# Altium PCB TEZ_Project.PcbDoc (part 2 of 2)
Units mil, origin at the board's own origin, x right, y up, seen from the top; angles counter-clockwise.
Board outline 3896.95 x 2575.43 mil, 4 copper layers (Top Layer, GND, GND (Mid2), Bottom Layer), stack 61.418 mil thick; 158 components, 113 nets, 689 pads, 243 vias.
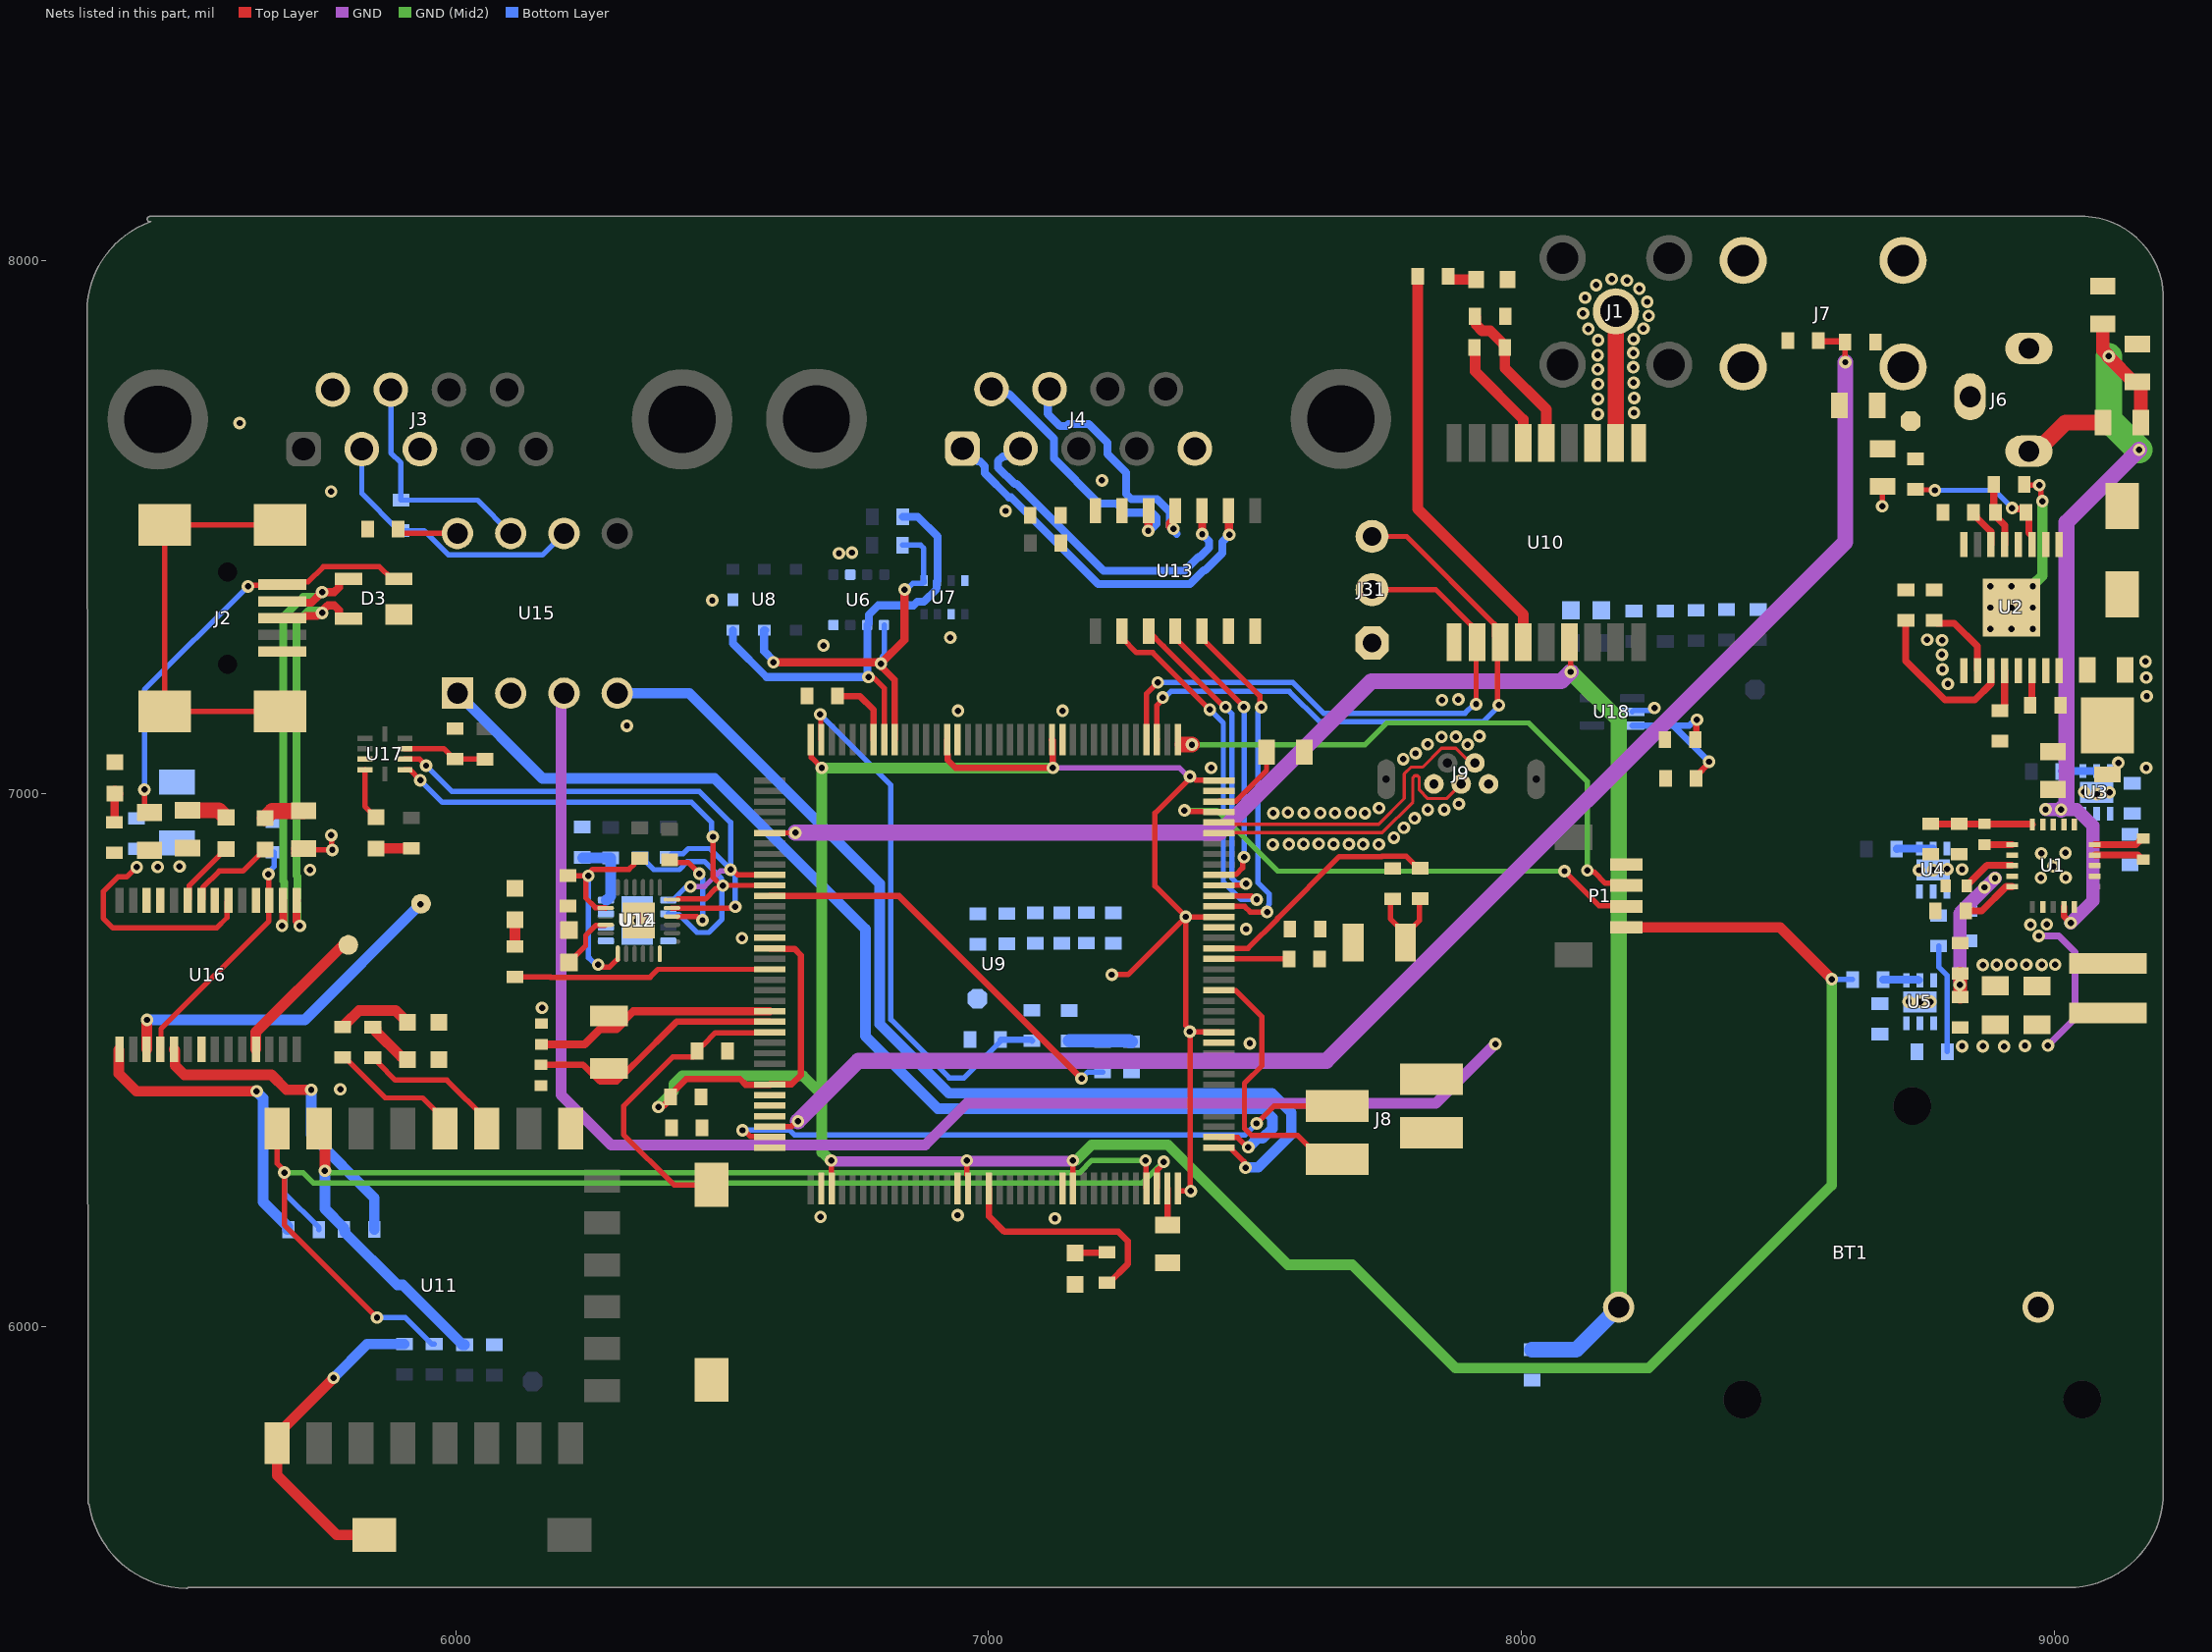
[diagram p4: the nets of this part, all layers, seen from the top]

## Via types
v1: diameter 23.62, hole 11.81, Top Layer to Bottom Layer, tented both sides, 243 vias

## Nets (pads, with @x,y where several pads share a name; then routed paths per layer and width w, separated by ;. In a path a pad name is that pad's centre, name@x,y a point inside that pad or via, vN(x,y) a via of type N, cw(c..) or ccw(c..) an arc to the next point about the centre after c; other vN are vias at no path point) (continued)
3V3_C: C13.2 C31.1 C32.1 C33.1 C34.1 C35.1 FB8.2 FB9.2 P1.1 R13.2 R21.2 TP5.1 U9.17 U9.30 U9.39 U9.52 U9.62 U9.72 U9.84 U9.95 U9.108 U9.121 U9.131 U9.144 | length 7183.6
  Top Layer w10: U9.144@6666.51,7101.32 6667.42,7100.41 6667.42,7067.98 v1(6687.15,7048.25) ; v1(6704.94,6311.44) 6704.94,6285.18 6704.98,6285.14 6704.98,6259.7 U9.39@6705.88,6258.8 ; v1(6959.27,6311.44) 6959.27,6284.94 6961.79,6282.42 U9.52@6961.79,6258.8 ; U9.62@7158.64,6258.8 v1(7158.58,6311.44) ; v1(7231.55,6660.02) 7231.86,6660.33 7262.05,6660.33 v1(7370.47,6768.75) ; U9.72@7355.49,6258.8 7355.49,6254.79 7356.4,6253.89 v1(7379.73,6253.89) 7378.86,6254.75 7378.86,6552.4 v1@7378.58,6552.69 ; U9.84@7432.26,6552.11 7431.68,6552.69 v1@7378.58,6552.69 ; U9.95@7432.26,6768.64 7432.21,6768.7 7370.52,6768.7 v1(7370.47,6768.75) ; U9.108@7432.26,7024.55 7431.36,7025.45 7388.69,7025.45 7381.78,7032.37 v1(7378.09,7032.37) 7378.09,7028.68 7312.68,6963.27 7312.68,6826.55 v1(7370.47,6768.75) ; v1(7370.47,6768.75) 7370.47,6564.48 7377.99,6556.96 v1(7377.99,6553.27) v1@7378.58,6552.69
  Top Layer w12: v1(6380.51,6411.85) 6382.73,6414.08 6390.39,6414.08 6403.28,6426.97 6403.28,6434.84 6432.64,6464.21 6533.69,6464.21 6544.22,6453.68 U9.30@6589.74,6453.68 6589.84,6453.77 6616.92,6453.77 6617.73,6454.59 6630.71,6454.59 6648.02,6471.89 6648.02,6696.68 6636.02,6708.68 6617.73,6708.68 6616.92,6709.49 6589.84,6709.49 U9.17@6589.74,6709.59 ; U9.131@6922.42,7101.32 6922.51,7101.22 6922.51,7074.14 6923.33,7073.33 6923.33,7062.99 6938.06,7048.25 v1(7120.83,7048.25) 7120.83,7074.33 7120.18,7074.98 7120.18,7100.41 U9.121@7119.27,7101.32
  Top Layer w20: P1.1@8197.33,6748.86 8485.44,6748.86 v1(8582.78,6651.52)
  GND w10: v1(7120.83,7048.25) 7358.52,7048.25 7374.4,7032.37 v1(7378.09,7032.37)
  GND w20: v1(6704.94,6311.44) 6706.79,6309.59 6957.42,6309.59 v1(6959.27,6311.44) ; v1@6961.97,6310.13 7157.26,6310.13 v1(7158.58,6311.44)
  GND (Mid2) w20: v1(6380.51,6411.85) 6380.51,6412.83 6409.49,6441.81 6409.49,6454.49 6425.2,6470.21 6651.83,6470.21 6687.15,6434.89 ; v1(6704.94,6311.44) 6703.96,6311.44 6688.56,6326.84 6687.15,6326.84 6687.15,6434.89 ; v1(7120.83,7048.25) v1(6687.15,7048.25) 6687.15,6434.89 ; v1(7158.58,6311.44) 7164.59,6311.44 7193.93,6340.78 7336.92,6340.78 7562.04,6115.65 7682.73,6115.65 7876.87,5921.51 8239.16,5921.51 8582.78,6265.13 v1(8582.78,6651.52)
  Bottom Layer w10: v1(8582.78,6651.52) 8621.32,6651.52 FB8.2@8621.84,6651
5VBUS: J9.1
28V_CONNECTOR: C3.1 C4.2 D2.1 FB1.1 J6.1 J7.1 R1.1 R46.2 TP1.1 U2.1 U2.2 | length 161.5
  Top Layer w30: J6.1@8952.6,7642.74 8967.37,7642.74 9021.16,7696.53 FB1.1@9091.87,7696.53
+5V: C5.2 C6.2 FB3.2 FB5.2 FB7.2 J8.1 L1.2 R49.2 U1.12 U15.3 | length 3109.6
  GND w13: v1(8971.26,6732.84) 9008.72,6732.84 9039.33,6702.23 9039.33,6578.15 v1(8988.4,6527.23)
  GND w20: U15.3@6203.36,7188.56 6198.02,7183.22 6198.02,6434.32 6292.06,6340.28 6881.24,6340.28 6959.39,6418.42 7839.86,6418.42 v1(7951.47,6530.04)
  Bottom Layer w10: FB3.2@8783.53,6714.07 8783.53,6674.7 8799.57,6658.66 FB7.2@8799.57,6515.44
  other v1: 8906.07,6525.4 8827.4,6525.66 8866.34,6525.66 8945.28,6526.71 8955.73,6753.93 8986.5,6754.53
+5V_USB: C51.1 C52.2 FB13.1 R35.2 R38.1 R39.1 U16.20 | length 515.4
  Top Layer w10: v1(5401.6,6862.1) 5400.73,6862.1 5382.2,6843.58 5366.15,6843.58 5338.75,6816.18 5338.75,6766.16 5356.98,6747.93 5551.49,6747.93 5570.96,6767.4 5570.96,6796.61 U16.20@5573.83,6799.48 ; R39.1@5714.39,6896.64 5716.74,6894.29 v1(5768.51,6894.29) 5767.59,6895.22 5767.59,6921.05 v1(5766.66,6921.98)
  Top Layer w15: R39.1@5698.74,6888.87 R39.1@5706.51,6896.64
  Top Layer w30: R39.1@5706.51,6896.64 R39.1@5714.39,6896.64
  other v1: 5440.85,6862.36 5481.9,6863.11
ADC2_IN0: R46.1 R47.2 U9.34 | length 2900.1
  Top Layer w10: U9.34@6589.74,6374.94 6630.28,6374.94 6640.39,6385.05 v1(6642.43,6385.05) ; R46.1@8607.84,7847.75 8607.96,7847.63 8607.96,7810.04 v1(8608.08,7809.92)
  Top Layer w12: R47.2@8557.26,7850.47 8558.62,7849.11 8606.48,7849.11 R46.1@8607.84,7847.75
  GND w30: v1(6642.43,6385.05) 6755.79,6498.41 7634.1,6498.41 8608.08,7472.39 v1(8608.08,7809.92)
ADC2_IN1: J8.2 U9.35 | length 1198.6
  Top Layer w10: v1(6538.37,6368.09) 6542.06,6368.09 6553.98,6356.16 6588.84,6356.16 U9.35@6589.74,6355.25 ; v1(7503.28,6380.91) 7535.97,6413.6 J8.2@7654.25,6413.6
  Bottom Layer w10: v1(6538.37,6368.09) 6627.14,6368.09 6635.59,6359.63 7482.29,6359.63 7503.28,6380.62 v1(7503.28,6380.91)
ADC2_IN2: U9.36
ADC_IN2: R41.2
CAN_H: J3.7 R6.2 U15.7 | length 447.2
  Bottom Layer w10: J3.7@5878.37,7758.48 5878.37,7639.7 5897.35,7620.72 R6.2@5897.35,7551.02 6040.9,7551.02 U15.7@6103.36,7488.56
CAN_L: J3.2 R6.1 U15.6 | length 527.3
  Bottom Layer w10: J3.2@5823.84,7646.66 5823.84,7563.5 5893.41,7493.93 R6.1@5897.35,7493.93 5940.71,7493.93 5986.58,7448.06 6162.86,7448.06 U15.6@6203.36,7488.56
CAN_RX: U9.73 U15.4 | length 1970.6
  Top Layer w10: U9.73@7432.26,6335.57 7455.89,6335.57 7456.79,6334.66 7456.79,6332.49 7479.94,6309.33 7479.94,6300.38 v1(7482.55,6297.78)
  Bottom Layer w20: U15.4@6303.36,7188.56 6438.3,7188.56 6795.95,6830.91 6795.95,6567.44 6925.9,6437.48 7532.25,6437.48 7568.49,6401.24 7568.49,6360.72 7506.25,6298.47 7483.24,6298.47 v1(7482.55,6297.78)
CAN_TX: U9.74 U15.1 | length 2120.9
  Top Layer w10: U9.74@7432.26,6355.25 7433.17,6354.35 7467.81,6354.35 7486,6336.17 v1(7487.55,6336.17)
  Bottom Layer w20: U15.1@6003.36,7188.56 6163.11,7028.81 6485.89,7028.81 6768.86,6745.83 6768.86,6544.92 6905.06,6408.72 7515.78,6408.72 7533.07,6391.43 7533.07,6371.37 7514.8,6353.1 7505.46,6353.1 7488.53,6336.17 v1(7487.55,6336.17)
DIG_IN: J8.4 U9.88 | length 523.1
  Top Layer w10: U9.88@7432.26,6630.85 7433.17,6629.94 7464.47,6629.94 7513.43,6580.98 7513.43,6489.17 7480.47,6456.2 7480.47,6371.46 7493.83,6358.1 7580.9,6358.1 7600.2,6338.79 7600.2,6338.13 7624.73,6313.6 J8.4@7654.25,6313.6
FB: R49.1 R52.1 U1.9 | length 271.8
  Top Layer w13: R52.1@8823.53,6662.45 R52.1@8823.69,6662.29 ; R49.1@8823.69,6618.43 R49.1@8823.85,6618.27
  Top Layer w25: R49.1@8823.69,6618.43 R52.1@8823.69,6662.29
  GND w25: v1(8822.92,6641.14) 8822.92,6775.07 v1(8889.1,6841.25)
  other v1: 8869.49,6824.02
GND: BT1.2 C2.2 C3.2 C4.1 C5.1 C6.1 C7.1 C8.2 C9.2 C11.1 C12.1 C13.1 C14.2 C15.2 C16.2 C21.2 C22.2 C23.2 C24.2 C25.1 C26.2 C31.2 C32.2 C33.2 C34.2 C35.2 C37.2 C38.2 C39.1 C40.2 C41.1 C42.1 C43.1 C44.1 C45.1 C46.1 C47.2 C48.1 C49.2 C51.2 C52.1 C53.2 C54.2 C55.2 C56.1 C62.2 C64.2 D1.2 D2.2 D3.1 J2.5 J3.3 J3.6 J4.5 J6.2 J6.3 J7.2 J8.3 J9.5 J31.1 LD1.2 LD2.2 LD3.2 LD4.2 LD5.2 LD6.2 P1.4 PB1.2 R5.2 R8.1 R14.2 R20.1 R22.2 R47.1 R52.2 U1.1 U1.7 U1.15 U1.21 U2.9 U3.3 U3.5 U3.7 U4.3 U4.5 U4.7 U5.3 U5.5 U5.7 U6.1 U6.7 U7.1 U7.7 U8.7 U9.16 U9.31 U9.38 U9.51 U9.61 U9.83 U9.94 U9.107 U9.120 U9.130 U10.1 U10.10 U10.12 U11.15 U12.4 U12.5 U12.6 U12.7 U12.9 U13.6 U13.7 U14.18 U14.25 U15.2 U16.7 U16.18 U16.21 U16.25 U16.26 U17.8 U18.2 | length 83
  Top Layer w10: v1(8677.39,7539.49) 8677.39,7575.69 C3.2@8678.17,7576.47 ; v1(8799.56,6858.35) v1@8799.93,6857.98 ; v1@8827.05,6857.98 v1(8827.42,6857.6)
  Bottom Layer w10: U18.2@8208.3,7153.47 8211.17,7156.35 8241.95,7156.35 8246.27,7160.67 v1(8249.96,7160.67)
  other v1: 7124.74,6202.52 6684.7,6205.47 6942.18,6208.64 5783.58,6445.09 7490.62,6531.23 6162.14,6597.75 8748.32,6609.11 8768.01,6609.16 8727.04,6609.68 8866.26,6678.31 8892.44,6678.72 8919.82,6679.09 8947.98,6678.91 8976.88,6678.72 9002,6678.91 6537.55,6728.73 7483.75,6745.82 6340.57,6761.82 8975.4,6842.06 9021.76,6842.31 8746.55,6856.38 5726.6,6856.71 8773.14,6856.53 8998.82,6863.53 8975.89,6887.94 9021.52,6888.67 7533.63,6904.45 7563.84,6905.06 7591.21,6905.25 7647.79,6905.2 7676.44,6905.2 7703.28,6904.98 7732.62,6904.75 7619.78,6905.72 7761.04,6917.32 7779.66,6935.95 7799.96,6953.77 7534.56,6963.4 7706.49,6963.4 7561.87,6964.43 7592.16,6963.73 7622.74,6963.62 7650.3,6963.61 7679.77,6963.89 7824.64,6969.87 7855.48,6969.76 7733.02,6972.74 7882.88,6980.72 9080.26,6999.13 9104.2,7002.29 9056.23,7003.14 7417.98,7048.26 9172.84,7048.54 9120.5,7057.99 7778.64,7064.65 7801.78,7075.58 7899.43,7092 7824.19,7092.79 7850.49,7106.31 7877.32,7106.67 7921.5,7107.81 6321.46,7127.43 6942.81,7155.54 7139.22,7155.55 7851.32,7175.45 7881.95,7176.76 9173.85,7183.05 8800.75,7205.97 9172.95,7218.06 8790.5,7233.24 9171.44,7248.07 8789.45,7260.97 6690.47,7278 8789.82,7287.86 8761.82,7288.98 6928.37,7292.84 6481.64,7362.85 6719.44,7451.18 6743.87,7452.44 7032.18,7530.81 5766.44,7566.98 7212.96,7587.95 5594.64,7695.65 8143.79,7712.39 8211.48,7715.05 8143.98,7741.08 8211.88,7742.93 8143.99,7768.81 8210.9,7771.34 8143.7,7796.53 8210.34,7800.59 8143.38,7822.95 8210.34,7827.19 8144.4,7851.27 8210.79,7853.2 8125.96,7872.4 8229.35,7872.94 8239,7896.8 8115.99,7901.49 8236.33,7923.27 8119.88,7931.08 8221.47,7947.83 8140.51,7954.75 8198.24,7963.36 8169.73,7965.97
I2C1_SCL: R24.2 U6.4 U7.4 U8.5 U9.136 | length 805.3
  Top Layer w12: v1@6799.71,7237.88 6823.72,7213.87 U9.136@6823.72,7101.6
  Top Layer w15: v1(6596.43,7246.65) 6600.36,7246.65 6600.42,7246.6 6793.12,7246.6 6795.72,7243.99 v1(6798.06,7243.99) ; v1@6799.71,7237.88 6799.71,7242.35 v1(6798.06,7243.99) ; v1(6842.68,7383.19) 6842.36,7382.86 6842.36,7288.29 v1(6798.06,7243.99)
  Bottom Layer w10: v1(6798.06,7243.99) 6800.66,7246.6 6800.66,7257.03 6804.24,7260.61 U6.4@6804.24,7316.79 ; R24.2@6838.84,7466.41 6872.79,7466.41 6878.65,7460.55 U7.4@6878.65,7400.11 ; v1(6842.68,7383.19) 6846.37,7383.19 6858.19,7395.01 6877.02,7395.01 6878.9,7396.9 U7.4@6878.9,7399.85
  Bottom Layer w15: U8.5@6580.87,7306.89 U8.5@6579.61,7306.89 6579.01,7306.28 6579.01,7267.15 6596.43,7249.72 v1(6596.43,7246.65)
I2C1_SDA: R23.2 U6.3 U7.3 U8.6 U9.137 | length 886.5
  Top Layer w10: v1(6774.91,7218.83) 6777.51,7216.22 6786.03,7216.22 6804.31,7197.94 U9.137@6804.31,7101.32
  Bottom Layer w15: U8.6@6520.56,7306.89 6520.56,7281.76 6583.51,7218.8 v1(6774.91,7218.83) ; v1(6774.91,7218.83) 6774.91,7221.16 6772.75,7223.32 6772.75,7316.79 6775.81,7319.85 6775.81,7335.82 6793.43,7353.44 6859.66,7353.44 6866.42,7360.2 6878.96,7360.2 6902.61,7383.85 6902.61,7397.96 U7.3@6904.5,7399.85 6904.5,7482.54 6867.34,7519.7 R23.2@6838.96,7519.7
I2C2_SCL: R31.1 U9.10 U12.1 U14.23 U17.2 | length 1300.1
  Top Layer w10: U17.2@5904.73,7064.62 5932.35,7064.62 5944.35,7052.61 v1(5944.5,7052.61) ; U14.23@6405.97,6785.22 6522.23,6785.22 v1(6524.79,6787.78) ; v1(6515.99,6857.32) 6519.5,6857.32 6529.45,6847.38 U9.10@6589.74,6847.38
  GND w10: v1(6440.62,6825.3) 6440.93,6825.61 6467.44,6825.61 6496.54,6854.72 6513.39,6854.72 v1(6515.99,6857.32)
  Bottom Layer w10: v1(5944.5,7052.61) 5993.01,7004.1 6457.57,7004.1 6515.91,6945.76 v1@6515.91,6858 ; U12.1@6399.04,6800.21 6407.7,6800.21 6430.18,6822.69 6438.02,6822.69 v1(6440.62,6825.3) ; R31.1@6399.23,6880.11 6406.05,6886.92 6426.53,6886.92 6436.51,6896.89 6477.02,6896.89 v1@6515.91,6858 ; v1@6515.91,6857.23 6515.91,6853.72 6524.79,6844.85 v1(6524.79,6787.78) ; v1(6515.99,6857.32) 6515.99,6857.92 v1@6515.91,6858
I2C2_SDA: R32.1 U9.11 U12.2 U14.24 U17.1 | length 1313.2
  Top Layer w10: U17.1@5904.73,7044.93 5913.73,7044.93 5933.63,7025.03 v1(5933.68,7025.03) ; U14.24@6416.72,6802.04 6468.44,6802.04 6488.58,6822.17 6492.57,6822.17 6497.09,6826.69 v1@6497.09,6828.94 ; v1(6482.75,6918.97) 6482.75,6843.28 6498.74,6827.29 v1(6501.38,6827.29) ; v1@6500.98,6827.7 U9.11@6589.74,6827.7
  Bottom Layer w10: v1(5933.68,7025.03) 5974.98,6983.74 6442.56,6983.74 6480.52,6945.78 6480.52,6921.2 v1(6482.75,6918.97) ; R32.1@6346.05,6879.13 6349.99,6879.13 6371.82,6857.3 6419.54,6857.3 6434.82,6872.58 6466.77,6872.58 6498.77,6840.58 6498.77,6829.9 v1(6501.38,6827.29) ; U12.2@6399.04,6774.62 6400.33,6773.32 6418.83,6773.32 6452.8,6739.35 6474.93,6739.35 6499.73,6764.15 v1@6499.73,6828.94
IN: C8.1 C9.1 FB1.2 FB2.2 U1.2 U1.3 U1.4 U1.14 | length 1493.5
  Top Layer w12: U1.14@9018.22,6787.33 9018.22,6770.04 v1(9031.11,6757.15)
  Top Layer w25: C8.1@9091.68,7881.66 9091.68,7832.29 v1(9102.74,7821.24) 9102.74,7818.96 9148.51,7773.19 9159.48,7773.19 9162.73,7769.94 FB1.2@9162.73,7696.53
  GND w25: v1(8984.12,6970.42) v1@9013.37,6970.42 ; v1(9013,6970.04) 9042.7,6970.04 9072.87,6939.87 9072.87,6798.9 v1(9031.11,6757.15)
  GND w30: v1(9013,6970.04) 9013.37,6970.42 9023.42,6980.46 9023.42,7509.35 v1(9159.43,7645.37)
  GND (Mid2) w50: v1(9102.74,7821.24) 9102.74,7702.06 v1(9159.43,7645.37)
INTVCC: R3.1 U1.6 | length 51.7
  Top Layer w13: R3.1@8869.32,6904.18 U1.6@8921.03,6904.2
NetC1_1: C1.1 U1.20 | length 95.8
  Top Layer w13: U1.20@9076.03,6904.2 9153.68,6904.2 9165.14,6915.66 C1.1@9167.11,6915.66
NetC1_2: C1.2 L1.1 U1.17 U1.18 U1.19 | length 94.5
  Top Layer w13: U1.19@9076.03,6884.52 9156.91,6884.52 9165.14,6876.29 C1.2@9167.11,6876.29
NetC2_1: C2.1 D1.1 FB2.1 R2.2 U2.15 U2.16
NetC7_2: C7.2 U1.8 | length 92.6
  Top Layer w13: C7.2@8841.27,6832.8 8874.03,6865.56 U1.8@8920.31,6865.56
NetC10_2: C10.2 U2.12 | length 83.8
  Top Layer w13: C10.2@8897.51,7153.66 8901.45,7153.66 8906.76,7158.98 8906.76,7166.23 8907.12,7166.59 8907.12,7230.91 U2.12@8907.33,7231.12
NetC12_2: C12.2 FB5.1 U3.4 U3.6
NetC14_1: C14.1 R18.2 X1.1 | length 170.4
  Top Layer w10: C14.1@7758.99,6802.3 7754.4,6797.72 7754.4,6765.15 7768.05,6751.5 7768.05,6750.59 7781.83,6736.82 7782.74,6736.82 X1.1@7782.74,6720.16 ; X1.1@7785.78,6738.95 7808.51,6761.67 7808.51,6800.89 R18.2@7810.43,6802.82
NetC15_1: C15.1 R19.2 X1.2
NetC16_1: C16.1 U9.23 X2.2 | length 455.7
  Top Layer w15: C16.1@6161.16,6529.13 6241.85,6529.13 6270.75,6558.03 6302.25,6558.03 6316.93,6572.71 6316.93,6574.96 6333.45,6591.48 U9.23@6589.74,6591.48
NetC22_1: C22.1 U9.24 X2.1 | length 488.8
  Top Layer w12: C22.1@6160.43,6491.09 6239.26,6491.09 6259.24,6471.11 6270.75,6459.6 6286.5,6459.6 6302.25,6459.6 6315.33,6472.68 6335.43,6492.79 6335.55,6492.79 6414.55,6571.79 U9.24@6589.74,6571.79
NetC23_1: C23.1 U9.106 | length 148.2
  Top Layer w10: U9.106@7432.26,6985.18 7433.17,6986.08 7464.47,6986.08 7521.9,7043.51 C23.1@7521.9,7077.9
NetC24_1: C24.1 U9.71 | length 68.8
  Top Layer w12: C24.1@7335.81,6190.05 U9.71@7335.81,6258.8
NetC26_1: C26.1 FB9.1 U9.32 U9.33
NetC36_1: C36.1 PB2.1 U11.1 | length 614.7
  Top Layer w20: U11.1@5664.86,5765.13 5664.86,5720.55 5776.95,5608.46 PB2.1@5847.45,5608.46 ; U11.1@5664.86,5796.63 5770.75,5902.52 v1(5770.75,5903.32)
  Top Layer w30: U11.1@5664.86,5765.13 U11.1@5664.86,5780.88 U11.1@5664.86,5796.63
  Bottom Layer w20: v1(5770.75,5903.32) 5834.07,5966.65 C36.1@5903.53,5966.65
NetC39_2: C39.2 R29.1 U10.14 | length 302.3
  Top Layer w20: C39.2@7913.02,7896.1 7914.83,7894.29 7914.83,7880.75 7926.55,7869.04 7941.65,7869.04 7967.44,7843.24 7967.44,7839.1 R29.1@7969.26,7837.29 7969.26,7831.57 7969.29,7831.54 7969.29,7799.04 8046.94,7721.39 U10.14@8046.91,7658.09 U10.14@8046.91,7658.09
NetC40_1: C40.1 U14.10 | length 108
  Top Layer w10: C40.1@6212.8,6683.05 6243.97,6714.22 6243.97,6733.48 6263.4,6752.92 U14.10@6280.59,6752.92
NetC41_2: C41.2 FB3.1 U4.4 U4.6
NetC43_2: C43.2 FB7.1 U5.4 U5.6
NetC47_1: C47.1 FB10.1 U12.8 | length 136.1
  Bottom Layer w10: C47.1@6237.23,6880.39 C47.1@6237.43,6880.19
  Bottom Layer w20: C47.1@6238.21,6879.41 FB10.1@6290.69,6879.41 ; U12.8@6282.11,6800.21 6283.37,6800.21 6290.77,6807.61 6290.77,6811.81 6290.88,6811.92 FB10.1@6290.88,6879.22
NetC48_2: C48.2 FB11.1 U13.13 U13.14
NetC49_1: C49.1 FB12.1 U14.8 U14.13 | length 458.3
  Top Layer w10: C49.1@6199.72,6844.64 C49.1@6203.66,6844.64 ; C49.1@6217.76,6845.78 v1@6245.17,6845.78 ; v1(6249.07,6845.68) 6248.97,6845.78 v1@6245.17,6845.78 ; v1(6267.45,6678.82) 6271.85,6674.43 6289.11,6674.43 U14.13@6303.25,6688.57 ; U14.8@6281.4,6785.22 6280.59,6786.04 6262.36,6786.04 6244.45,6803.94 6244.45,6845.06 v1@6245.17,6845.78 ; FB12.1@6343.64,6880.31 6334.86,6871.53 6334.86,6867.59 6325.2,6857.93 6257.32,6857.93 v1@6245.17,6845.78
  Bottom Layer w10: v1(6249.07,6845.68) 6249.07,6691.83 6250.76,6691.83 6263.77,6678.82 v1(6267.45,6678.82)
NetC53_1: C53.1 U16.4 U16.17 | length 460
  Top Layer w10: U16.4@5445.88,6519.96 5447.1,6521.18 5447.1,6558.58 5649.38,6760.86 5649.38,6798.26 U16.17@5650.6,6799.48 5649.65,6800.44 5649.65,6847.78 v1(5648.7,6848.73)
  Bottom Layer w10: v1(5648.7,6848.73) 5648.7,6852.42 5659.19,6862.9 C53.1@5659.19,6890.03
NetC55_1: C55.1 FB14.1 U17.3 | length 159.8
  Top Layer w10: U17.3@5904.82,7084.3 5916.66,7084.3 5916.74,7084.39 5977.57,7084.39 5988.36,7073.6 5988.36,7071.85 5995.46,7064.74 FB14.1@6055.41,7064.74
NetC56_2: C56.2 R41.1 U18.3 | length 301.8
  Top Layer w12: C56.2@8326.8,7101.49 8328.24,7102.94 8328.24,7137.3 v1(8329.68,7138.75) ; R41.1@8327.84,7028.89 8327.84,7032.83 8352.63,7057.62 v1(8352.63,7059.85)
  Bottom Layer w12: U18.3@8208.3,7127.88 8284.6,7127.88 ; v1(8329.68,7138.75) 8326.54,7138.75 8315.67,7127.88 8284.6,7127.88 ; v1(8352.63,7059.85) 8284.6,7127.88
NetC62_1: C62.1 C64.1 R3.2 U1.5 | length 191.2
  Top Layer w13: C62.1@8768.4,6943.41 8768.94,6942.87 8958.63,6942.87 U1.5@8959.16,6942.33
NetD3_2: D3.2 FB13.2 J2.1 | length 811.9
  Top Layer w10: v1(5415.91,7007.6) 5415.91,6973.89 FB13.2@5425.31,6964.49 ; v1(5610.32,7389.05) 5612.04,7390.77 5672.68,7390.77 5679.24,7397.34 5722.89,7397.34 5751.64,7426.08 5857,7426.08 5879.81,7403.27 D3.2@5893.59,7403.27
  Bottom Layer w10: v1(5415.91,7007.6) 5415.91,7195.2 v1@5606.3,7385.59
NetFB4_1: FB4.1 U4.1 U4.2 | length 68.9
  Bottom Layer w15: FB4.1@8704.55,6896.17 8704.91,6896.53 8772.78,6896.53 U4.2@8773.14,6896.88
NetFB6_1: FB6.1 U3.1 U3.2 | length 59.2
  Bottom Layer w15: FB6.1@9014.99,7042.15 U3.2@9074.18,7042.15
NetFB8_1: FB8.1 U5.1 U5.2 | length 67.4
  Bottom Layer w15: FB8.1@8678.93,6651 8744.62,6651 U5.2@8745.85,6649.77
NetJ1_1: J1.1 U10.11 | length 247.5
  Top Layer w10: U10.11@8176.83,7658.09 U10.11@8177.53,7658.8